# Altium PCB STM_W5500.PcbDoc (continued)
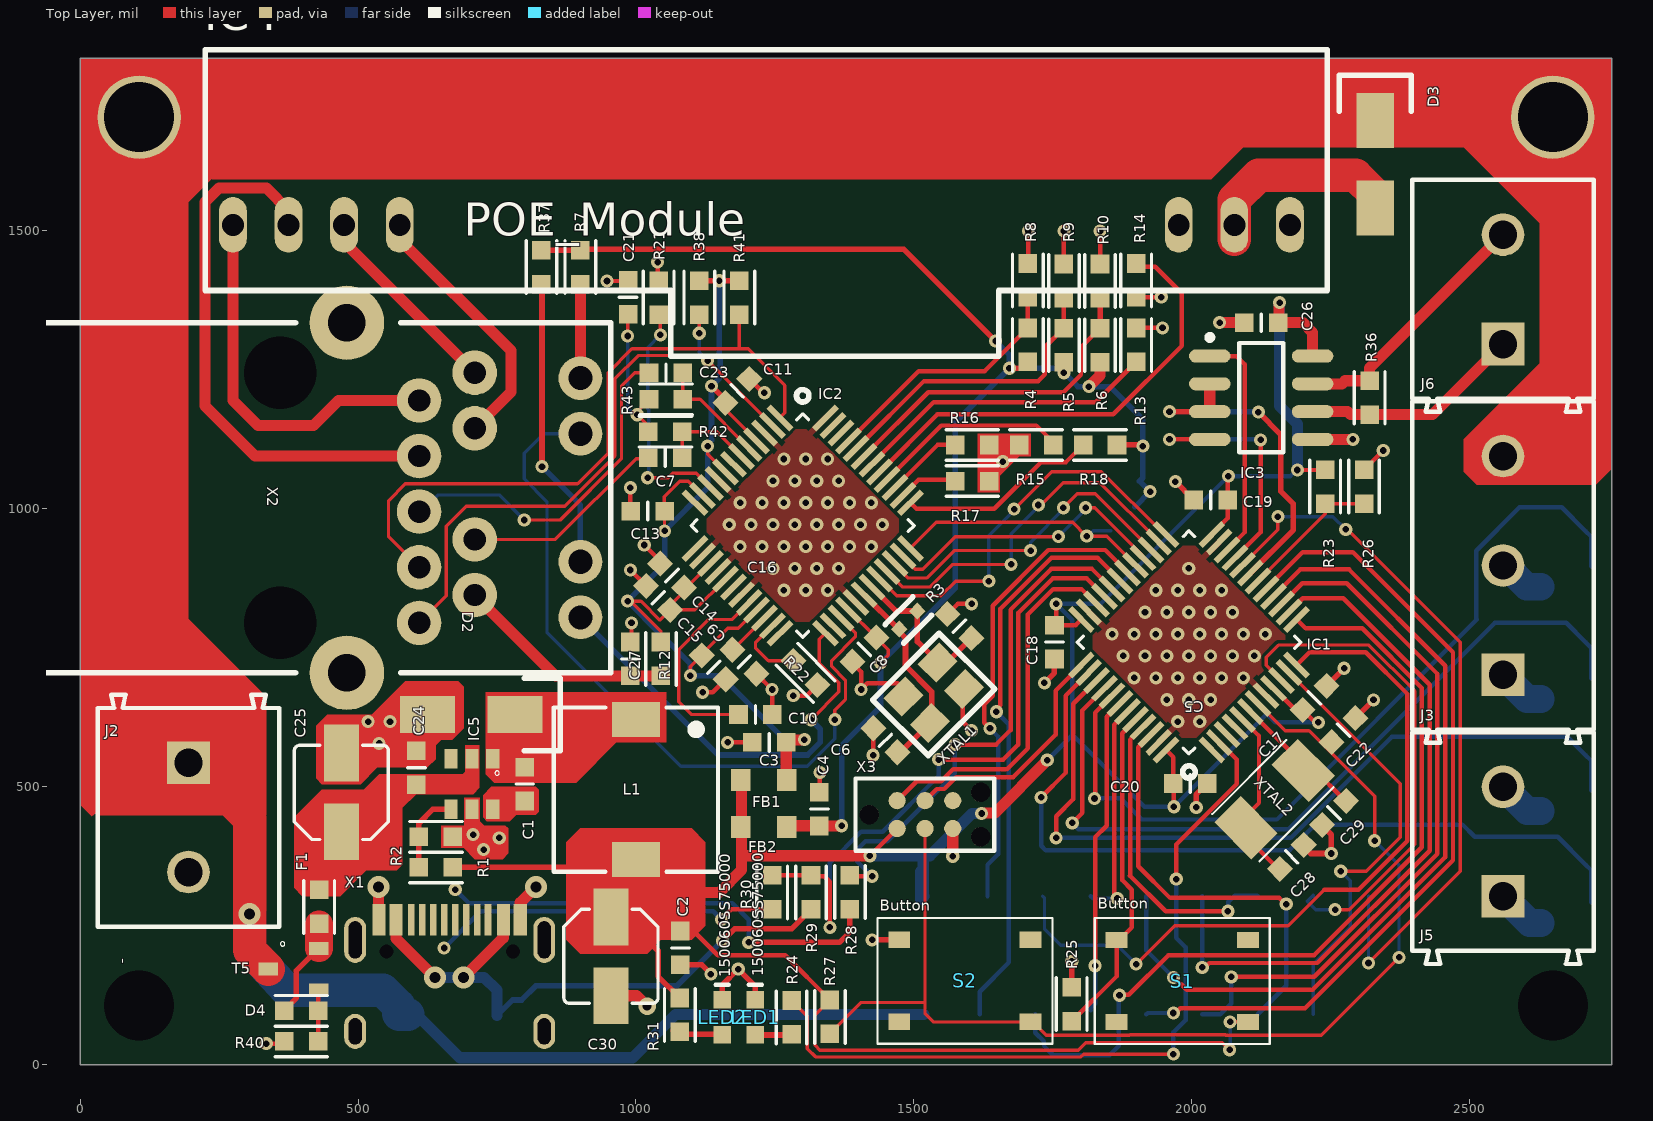
[diagram p0: Top Layer view]
## Part data (continued)
FB1 FB2: library part 742792042, "WE-CBF SMT EMI Suppression Ferrite Bead, size 0805, 600Ohm, 0.2A", DC Resistance max.=0.5Ohm, Operating Temperature="-55 to +125degC", Rated Current=0.2A, ComponentLink1Description=Manufacturer, ComponentLink1URL=http://www.we-online.de, ComponentLink2Description=Datasheet, ComponentLink2URL=https://katalog.we-online.com/pbs/datasheet/742792042.pdf, Impedance@100 MHz=600Ohm, Impedance max.=3000Ohm, Mounting Technology=SMT, Packaging="Tape and Reel", Part Number=742792042, Published Date="March 2019", Publisher="Wurth Elektronik", Size=0805, Type="High Speed"
J1: library part 61002021121, "Pin Header WR-PHD, pitch 2.54 mm, SMD, Vertical, dual row, 20 pin", Contact Resistance="20 mOhm", Insulation Resistance=">1000 MOhm", Operating Temperature="-40 to 105 degC", Rated Current="3 A", Working Voltage="250 VAC", ComponentLink1Description=Manufacturer, ComponentLink1URL=http://www.we-online.de, ComponentLink2Description=Datasheet, ComponentLink2URL=http://katalog.we-online.de/em/datasheet/6100xx21121.pdf, Mounting Technology=SMD, Orientation=Vertical, Part Number=61002021121, Pin Number=20, Pitch="2.54 mm", Published Date="Jan. 2018", Publisher="Wurth Elektronik", Row Number=Dual
J2 J5 J6: "Serie 213 - 5.00 mm Horizontal Entry Modular with RisingCage Clamp WR-TBL, 2 pin", Operating Temperature="-40 to 105 degC", ComponentLink1Description=Manufacturer, ComponentLink1URL=http://www.we-online.de, ComponentLink2Description=Datasheet, ComponentLink2URL=http://katalog.we-online.de/em/datasheet/6912137100xx.pdf, Mounting Technology=THT, Packaging=Box, Part Number=691213710002, Pin Number=2, Pitch="5.00 mm", Published Date="June 2018", Publisher="Wurth Elektronik"
J3: "Serie 213 - 5.00 mm Horizontal Entry Modular with RisingCage Clamp WR-TBL, 3 pin", Operating Temperature="-40 to 105 degC", ComponentLink1Description=Manufacturer, ComponentLink1URL=http://www.we-online.de, ComponentLink2Description=Datasheet, ComponentLink2URL=http://katalog.we-online.de/em/datasheet/6912137100xx.pdf, Mounting Technology=THT, Packaging=Box, Part Number=691213710003, Pin Number=3, Pitch="5.00 mm", Published Date="June 2018", Publisher="Wurth Elektronik"
L1: library part 744778004, "WE-PD SMT Power Inductor, size 7332, 4.7uH, 2.32A", DC Resistance max.=60mOhm, Inductance=4.7uH, Operating Temperature="-40 to +125degC", Rated Current=2.32A, Saturation Current=4.2A, Self Resonant Frequency=45MHz, ComponentLink1Description=Manufacturer, ComponentLink1URL=http://www.we-online.de, ComponentLink2Description=Datasheet, ComponentLink2URL=https://katalog.we-online.com/pbs/datasheet/744778004.pdf, Mounting Technology=SMT, Packaging="Tape and Reel", Part Number=744778004, Published Date="April 2019", Publisher="Wurth Elektronik", Size=7332
LED1 LED2: "SMD mono-color Chip LED, WL-SMCW, Super Red", Color="Super Red", ComponentLink1Description="Manufacturer URL", ComponentLink1URL=http://www.we-online.com, ComponentLink2Description=Datasheet, ComponentLink2URL=http://katalog.we-online.com/led/datasheet/150060SS75000.pdf, PackageReference=0603_A, PartNumber=150060SS75000
R3: library part ERJ-2GEJ105X, "RES SMD 1M OHM 5% 1/10W 0402", Digi-Key Part Number=P1.0MJCT-ND, Manufacturer="Panasonic Electronic Components", Operating Temperature="-55°C ~ 155°C", Package / Case="0402 (1005 Metric)", Power (Watts)="0.1W, 1/10W", Supplier Device Package=0402, Temperature Coefficient=±200ppm/°C, Tolerance=±5%, @ qty=1500, Composition="Thick Film", Datasheets=http://industrial.panasonic.com/www-cgi/jvcr13pz.cgi?E+PZ+3+AOA0001+ERJ2GEJ105X+7+WW, Factory Stock=0, Failure Rate=-, Features="Automotive AEC-Q200", Height - Seated (Max)="0.016\" (0.40mm)", Image=//media.digikey.com/Photos/Panasonic%20Photos/ERJ-PA2-Series.jpg, Minimum Quantity=1, Number of Terminations=2, Packaging="Cut Tape (CT)", Part Number=ERJ-2GEJ105X, Part Status=Active, Quantity Available=1082572, Series=ERJ, Size / Dimension="0.039\" L x 0.020\" W (1.00mm x 0.50mm)", Unit Price (USD)=0.00350
R4 R5 R6 R8 R9 R10 R13 R14 R15 R16 R17 R18 R19 R20 R22 R23 R25 R26 R27: library part ERJ-3EKF1002V, "RES SMD 10K OHM 1% 1/10W 0603", Digi-Key Part Number=P10.0KHCT-ND, Manufacturer="Panasonic Electronic Components", Operating Temperature="-55°C ~ 155°C", Package / Case="0603 (1608 Metric)", Power (Watts)="0.1W, 1/10W", Supplier Device Package=0603, Temperature Coefficient=±100ppm/°C, Tolerance=±1%, @ qty=1500, Composition="Thick Film", Datasheets=http://industrial.panasonic.com/www-cgi/jvcr13pz.cgi?E+PZ+3+AOA0002+ERJ3EKF1002V+7+WW, Factory Stock=0, Failure Rate=-, Features="Automotive AEC-Q200", Height - Seated (Max)="0.022\" (0.55mm)", Image=//media.digikey.com/Photos/Panasonic%20Photos/MFG_ERJ-P6W%20Series.jpg, Minimum Quantity=1, Number of Terminations=2, Packaging="Cut Tape (CT)", Part Number=ERJ-3EKF1002V, Part Status=Active, Quantity Available=6703141, Series=ERJ, Size / Dimension="0.063\" L x 0.031\" W (1.60mm x 0.80mm)", Unit Price (USD)=0.00379
R7 R12 R24 R37: library part ERJ-3EKF3300V, "RES SMD 330 OHM 1% 1/10W 0603", Digi-Key Part Number=P330HCT-ND, Manufacturer="Panasonic Electronic Components", Operating Temperature="-55°C ~ 155°C", Package / Case="0603 (1608 Metric)", Power (Watts)="0.1W, 1/10W", Supplier Device Package=0603, Temperature Coefficient=±100ppm/°C, Tolerance=±1%, @ qty=1500, Composition="Thick Film", Datasheets=http://industrial.panasonic.com/www-cgi/jvcr13pz.cgi?E+PZ+3+AOA0002+ERJ3EKF3300V+7+WW, Factory Stock=0, Failure Rate=-, Features="Automotive AEC-Q200", Height - Seated (Max)="0.022\" (0.55mm)", Image=//media.digikey.com/Photos/Panasonic%20Photos/MFG_ERJ-P6W%20Series.jpg, Minimum Quantity=1, Number of Terminations=2, Packaging="Cut Tape (CT)", Part Number=ERJ-3EKF3300V, Part Status=Active, Quantity Available=670984, Series=ERJ, Size / Dimension="0.063\" L x 0.031\" W (1.60mm x 0.80mm)", Unit Price (USD)=0.00379
R21: library part ERJ-3BQF1R1V, "RES SMD 12,4 KOHM 1% 1/4W 0603", Digi-Key Part Number=P17372CT-ND, Manufacturer="Panasonic Electronic Components", Operating Temperature="-55°C ~ 125°C", Package / Case="0603 (1608 Metric)", Power (Watts)="0.25W, 1/4W", Supplier Device Package=0603, Temperature Coefficient=±200ppm/°C, Tolerance=±1%, @ qty=1500, Composition="Thick Film", Datasheets=https://industrial.panasonic.com/cdbs/www-data/pdf/RDA0000/AOA0000C239.pdf, Factory Stock=0, Failure Rate=-, Features="Automotive AEC-Q200, Current Sense", Height - Seated (Max)="0.022\" (0.55mm)", Image=//media.digikey.com/Photos/Panasonic%20Photos/MFG_ERJ-P6W%20Series.jpg, Minimum Quantity=1, Number of Terminations=2, Packaging="Cut Tape (CT)", Part Number=ERJ-3BQF1R1V, Part Status=Active, Quantity Available=3896, Series=ERJ, Size / Dimension="0.063\" L x 0.031\" W (1.60mm x 0.80mm)", Unit Price (USD)=0.05386
R28 R30: library part ERJ-3EKF20R0V, "RES SMD 20 OHM 1% 1/10W 0603", Digi-Key Part Number=P20.0HCT-ND, Manufacturer="Panasonic Electronic Components", Operating Temperature="-55°C ~ 155°C", Package / Case="0603 (1608 Metric)", Power (Watts)="0.1W, 1/10W", Supplier Device Package=0603, Temperature Coefficient=±100ppm/°C, Tolerance=±1%, @ qty=1500, Composition="Thick Film", Datasheets=http://industrial.panasonic.com/www-cgi/jvcr13pz.cgi?E+PZ+3+AOA0002+ERJ3EKF20R0V+7+WW, Factory Stock=0, Failure Rate=-, Features="Automotive AEC-Q200", Height - Seated (Max)="0.022\" (0.55mm)", Image=//media.digikey.com/Photos/Panasonic%20Photos/MFG_ERJ-P6W%20Series.jpg, Minimum Quantity=1, Number of Terminations=2, Packaging="Cut Tape (CT)", Part Number=ERJ-3EKF20R0V, Part Status=Active, Quantity Available=92419, Series=ERJ, Size / Dimension="0.063\" L x 0.031\" W (1.60mm x 0.80mm)", Unit Price (USD)=0.00379
R29 R32 R33 R34 R35 R36 R40: library part ERJ-3EKF4701V, "RES SMD 4.7K OHM 1% 1/10W 0603", Digi-Key Part Number=P4.70KHCT-ND, Manufacturer="Panasonic Electronic Components", Operating Temperature="-55°C ~ 155°C", Package / Case="0603 (1608 Metric)", Power (Watts)="0.1W, 1/10W", Supplier Device Package=0603, Temperature Coefficient=±100ppm/°C, Tolerance=±1%, @ qty=1500, Composition="Thick Film", Datasheets=http://industrial.panasonic.com/www-cgi/jvcr13pz.cgi?E+PZ+3+AOA0002+ERJ3EKF4701V+7+WW, Factory Stock=0, Failure Rate=-, Features="Automotive AEC-Q200", Height - Seated (Max)="0.022\" (0.55mm)", Image=//media.digikey.com/Photos/Panasonic%20Photos/MFG_ERJ-P6W%20Series.jpg, Minimum Quantity=1, Number of Terminations=2, Packaging="Cut Tape (CT)", Part Number=ERJ-3EKF4701V, Part Status=Active, Quantity Available=999380, Series=ERJ, Size / Dimension="0.063\" L x 0.031\" W (1.60mm x 0.80mm)", Unit Price (USD)=0.00379
R38 R41 R42 R43: library part ERJ-3EKF49R9V, "RES SMD 49.9 OHM 1% 1/10W 0603", Digi-Key Part Number=P49.9HCT-ND, Manufacturer="Panasonic Electronic Components", Operating Temperature="-55°C ~ 155°C", Package / Case="0603 (1608 Metric)", Power (Watts)="0.1W, 1/10W", Supplier Device Package=0603, Temperature Coefficient=±100ppm/°C, Tolerance=±1%, @ qty=1500, Composition="Thick Film", Datasheets=http://industrial.panasonic.com/www-cgi/jvcr13pz.cgi?E+PZ+3+AOA0002+ERJ3EKF49R9V+7+WW, Factory Stock=0, Failure Rate=-, Features="Automotive AEC-Q200", Height - Seated (Max)="0.022\" (0.55mm)", Image=//media.digikey.com/Photos/Panasonic%20Photos/MFG_ERJ-P6W%20Series.jpg, Minimum Quantity=1, Number of Terminations=2, Packaging="Cut Tape (CT)", Part Number=ERJ-3EKF49R9V, Part Status=Active, Quantity Available=566023, Series=ERJ, Size / Dimension="0.063\" L x 0.031\" W (1.60mm x 0.80mm)", Unit Price (USD)=0.00379
S1 S2: "6.1x3.7x2.5mm"
T1 T2 T3 T4: "AO3400 MOSFET 30V"
T5: "AO3401 MOSFET 30V"
X1: library part "USB-C 16P"
XTAL1: library part 3225
XTAL2: library part 5032

## Free pads (board coordinates)
  round 0 hole 125.98: 0(106.3,106.3) 0(2649.61,106.3)
  round 150 hole 125.98: 0(106.3,1704.72) 0(2649.61,1704.72)

## Via types
v1: diameter 23.62, hole 11.81, Top Layer to Bottom Layer, tented both sides, 123 vias
v2: diameter 23.62, hole 11.81, Top Layer to Bottom Layer, 75 vias
v3: diameter 39.37, hole 19.68, Top Layer to Bottom Layer, tented both sides, 5 vias
v4: diameter 31.5, hole 15.75, Top Layer to Bottom Layer, tented both sides, 1 vias

## Nets (pads, with @x,y where several pads share a name; then routed paths per layer and width w, separated by ;. In a path a pad name is that pad's centre, name@x,y a point inside that pad or via, vN(x,y) a via of type N, cw(c..) or ccw(c..) an arc to the next point about the centre after c; other vN are vias at no path point)
3,3V: C2.1 C17.1 C18.1 C19.1 C20.1 C26.1 C30.1 FB1.1 FB2.1 IC1.9 IC1.24 IC1.36 IC1.48 IC3.8 J1.1 L1.2 R1.1 R23.2 R27.2 R31.2 S1.2 X3.1 | length 5223.9
  Top Layer w6: R27.2 1322.27,89.78 1322.27,34.61 1330.88,26 1795.5,26 1809.26,39.76 1958.32,39.76 1958.38,39.81 2055.19,39.81 v1(2068,27) ; v1(2069,77) 2100.77,77 S1.2
  Top Layer w8: 1071,273 1147,197 1268.51,197 R27.2 ; v1(1421,376) X3.1 ; v1(1756,829) 1756,794 C18.1 1791.24,791 IC1.36 ; IC1.48@1955.49,564.75 1966.98,553.26 C20.1 1968,504.98 v1(1968,464) ; IC1.24@2047.66,966.1 2065,983.44 2065,1058 v1(2066,1059) ; IC1.9 2147.58,677.27 2192.42,632.42 C17.1@2197,637 ; v1(2190,1070) 2239.49,1070 R23.2 ; C17.1 2221.85,616 v1(2227.92,616)
  Top Layer w10: R1.1 915,355 940,330 ; C30.1 979.13,265.87 1040,205 1040,159 R31.2
  Top Layer w20: 1070,310 1150,310 1190,350 1190,376 ; FB1.1@1190,515 1190,430 1190,376 ; v1(1421,376) 1190,376 ; v1(1622,452) 1622.69,452.69 1645.78,452.69 1740,546.92 v1(1740,548) ; v1(2158,1371) 2156.7,1369.7 2156.7,1336.19 C26.1 2200,1335 2217.52,1317.48 IC3.8
  Bottom Layer w6: v1(2068,27) 2069,28 v1(2069,77)
  Bottom Layer w8: v1(1740,548) 1785,593 1785,594 ; v1(2190,1070) 2188.5,1070 2177.5,1059 v1(2066,1059) 1836,829 v1(1756,829) 1785,800 1785,594 ; v1(2227.92,616) 2150,616 2135,631 v1(1968,464) 1915,464 1785,594
  Bottom Layer w20: v1(1421,376) 1517,376 ; J1.1@1512.35,297 J1.1@1512.35,347.65 ; J1.1 1517,304.65 1517,376 ; v1(1622,452) 1605,452 1529,376 1517,376 ; v1(2158,1371) 2158,1185 2190,1153 v1(2190,1070)
3,3VA: C3.1 C11.1 C13.1 C14.1 C15.1 C16.1 FB1.2 IC2.4 IC2.8 IC2.11 IC2.15 IC2.17 IC2.21 R12.2 R38.2 R41.2 | length 2207.5
  Top Layer w6: v1(985,834) v1@991,834 ; R12.2 1045,780 v1@991,834 ; C13.1@1051.02,996 1051.02,1022.02 1079,1050 1094.14,1050 IC2.11 ; v1(1051.51,960.49) C13.1 ; v1(1098,700) 1098,716.15 C16.1 ; C16.1@1123.42,731.58 1123.42,743.42 1165,785 1184.3,785 IC2.21 ; v1(1129,1113) 1129,1098.57 IC2.8 ; IC2.15 1090.84,858.42 C14.1 1086.58,851.58 1061.58,826.58 C15.1 ; C11.1@1155,1185 1217.27,1122.73 IC2.4 ; IC2.17 1106,818.42 C15.1 ; v1@991,834 1009.15,834 1043.15,800 C15.1
  Top Layer w10: R38.2 v1(1150,1410.51) R41.2 ; v1(1136,1221) 1160.8,1196.2 C11.1
  Top Layer w20: FB1.2@1270,515 1270.51,515.51 C3.1 1274.82,584.31 1302.31,584.31 v1(1303,585)
  Bottom Layer w10: v1(1150,1410.51) 1150,1278.12 1151.81,1276.31 1151.81,1257.42 1150,1255.61 1150,1235 v1(1136,1221) 1136,1123.69 1129,1116.69 v1(1129,1113) 1129,1037.98 v1(1051.51,960.49) 1051.51,900.51 v1(985,834) 1001.19,817.81 1001.45,817.81 1014.81,804.45 1014.81,804.19 1098,721 v1(1098,700) 1152,700 1267,585 v1(1303,585)
3,3VD: C4.1 C8.1 FB2.2 IC2.28 R4.2 R5.2 R6.2 R7.2 R18.2 R19.2 R20.2 R37.2 | length 2711.7
  Top Layer w6: C4.1@1329.49,430 C4.1 ; IC2.28@1382.73,815.42 IC2.28 1430.13,770.58 C8.1@1432.58,770.58 ; C8.1 1432.58,768.42 1454,747 1454,737 v1(1440,723)
  Top Layer w10: R37.2 R7.2 901.3,1466.81 1482.19,1466.81 v1(1647,1302) ; v1(1672,1253) 1672.09,1253.09 1693.6,1253.09 R4.2 ; R18.2 v1@1904,1115
  Top Layer w20: FB2.2@1270,430 C4.1@1329.49,430 ; C4.1 1369.49,429.49 v1(1370,430) ; v1(1815,1220) 1835,1240 R6.2
  Bottom Layer w10: v1(1370,430) 1370,574 1440,644 v1(1440,723) 1574.49,857.49 R20.2 1574.49,1155.49 v1(1672,1253) ; v1(1647,1302) 1672,1277 v1(1672,1253) ; R19.2 v1(1925,1031) 1906,1050 1912,1056 v1(1912,1113) 1912,1161 1853,1220 v1(1815,1220) 1795,1220 v1(1770,1245) 1766.31,1245 1758.31,1253 v1(1672,1253)
5V: D1.A R29.2 X1.VBUS | length 1074.6
  Top Layer w10: v1(1156,223) 1178,245 1280.51,245 R29.2
  Top Layer w20: X1.VBUS@568.54,260.59 568.54,227.1 v3(638.64,157) ; v3(690,157) 761.46,228.46 X1.VBUS@761.46,260.59
  Bottom Layer w10: D1.A 750,88.26 778.2,116.46 794.46,116.46 820,142 1074,142 v1@1154,222
  Bottom Layer w20: v3(638.64,157) v3(690,157) 727,157 750,134 D1.A@750,88.26
12V: D3.A IC4.6 | length 381.2
  Top Layer w60: IC4.6@2076.57,1485 2076.57,1556.57 2120,1600 2295,1600 2330,1565 D3.A
GND: C2.2 C3.2 C4.2 C5.1 C6.1 C8.2 C9.2 C10.2 C11.2 C13.2 C14.2 C15.2 C16.2 C17.2 C18.2 C19.2 C20.2 C21.1 C22.2 C24.2 C25.2 C26.2 C27.1 C28.1 C29.1 C30.2 D2.A IC1.8 IC1.23 IC1.35 IC1.47 IC2.3 IC2.9 IC2.14 IC2.16 IC2.19 IC2.29 IC2.48 IC3.5 IC4.5 IC5.5 J1.19 J1.20 J2.2 LED1.1 LED2.1 R2.1 R8.1 R9.1 R10.1 R13.2 R14.2 R15.2 R16.2 R17.2 R21.1 R22.1 R25.1 R26.1 R32.1 R33.1 R34.1 R35.1 R40.1 S2.1 T1.S T2.S T3.S T4.S X1.GND X2.15 X3.5 XTAL1.2 XTAL1.4 | length 2295.3
  Top Layer w8: v1(335,38) 363.49,38 R40.1 ; v1(948,1410) 984.49,1410 C21.1 ; C27.1 992,762.51 v1(992,795) ; v1(990,890) C15.2 ; v1(990,1038) 990,996.49 C13.2 ; v1(1015,935) 1043.42,906.58 C14.2 ; v1(1039,1444) 1039,1412.51 R21.1 ; v1(1120,670) 1138.15,670 C16.2 ; v1(1165,580) C3.2 ; C11.2 1228.91,1209 v1(1231,1209) ; C9.2 v1(1245,675) 1245.51,674.49 C10.2 ; v1(1283,664) 1307.15,664 R22.1 ; C4.2 1331,491.51 1330,492.51 1331,493.51 v1(1331,526) ; C8.2 1389.42,722.57 1405,706.99 v1(1405,675) 1416.08,686.08 1471.43,686.08 ; v1(1426.72,556.72) 1426.72,605.72 C6.1 ; C5.1@1561,810 C5.1 1578.85,829 v1(1604,829) ; XTAL1.4@1600,676 XTAL1.4 1587.22,673.22 1587.22,645.47 1588.22,644.46 1588.22,616.78 v1(1604,601) ; R8.1@1705,1435.51 1706,1436.51 v1(1706,1500) ; R9.1@1770,1435.51 v1(1770,1500) ; R10.1@1835,1435.51 v1(1835,1500) ; R13.2 1900.14,1325.65 v1(1947.35,1325.65) ; R14.2@1900,1374.49 R14.2@1906,1380.49 ; R14.2 R14.2@1906,1380.49 ; v1@1941.52,1377.49 v1(1945.02,1381) 1938.01,1381 1937.5,1380.49 R14.2@1906,1380.49 ; R26.1 v1(2344.49,1105)
  Top Layer w10: C2.2 1118.51,179.49 v1(1135,163) ; LED2.1 1155,143 v1(1184,172) 1215,141 LED1.1 ; v1@1423,226.64 v1(1425,224.64) 1468.6,224.64 1471.19,227.23 S2.1 ; v1(1735,687) 1753,705 C18.2 ; R25.1 v1(1784,186) ; v1(1970.49,1049) C19.2 ; v1(2008,463) 2008,486 C20.2 ; C28.1@2194,400 2214,380 v1(2251,380) 2251,413.85 C29.1@2229.42,435.42 ; C17.2@2235.58,675.58 2236.58,675.58 C17.2 2274,713 v1(2274,713.19) ; C22.2 2327,656 v1(2327,656.38)
  Top Layer w20: v3(537,320) 537,261.62 X1.GND@538.03,260.59 ; X1.GND@791.97,260.59 791.97,291.97 v3(820,320) ; C30.2 1000.87,124.13 v4(1020,105) ; v1(1570,375) X3.5 ; v1(2050,1335) C26.2 ; IC3.5 v1(2290,1125)
  other v1: 726,387 754,408 707,414 1660,1085
  other v2: 537.91,577.91 518.23,617.28 557.6,617.28 1974.92,617.28 2014.29,617.28 1955.24,656.65 1994.61,656.65 2033.98,656.65 1896.18,696.02 1935.55,696.02 1974.92,696.02 2014.29,696.02 2053.66,696.02 2093.03,696.02 1876.5,735.39 1915.87,735.39 1955.24,735.39 1994.61,735.39 2033.98,735.39 2073.35,735.39 2112.72,735.39 1856.81,774.76 1896.18,774.76 1935.55,774.76 1974.92,774.76 2014.29,774.76 2053.66,774.76 2093.03,774.76 2132.4,774.76 1915.87,814.13 1955.24,814.13 1994.61,814.13 2033.98,814.13 2073.35,814.13 1266.26,853.51 1305.63,853.51 1345,853.51 1935.55,853.51 1974.92,853.51 2014.29,853.51 2053.66,853.51 1246.58,892.88 1285.95,892.88 1325.32,892.88 1364.69,892.88 1994.61,892.88 1187.52,932.25 1226.89,932.25 1266.26,932.25 1305.63,932.25 1345,932.25 1384.37,932.25 1423.74,932.25 1167.84,971.62 1207.21,971.62 1246.58,971.62 1285.95,971.62 1325.32,971.62 1364.69,971.62 1404.06,971.62 1443.43,971.62 1187.52,1010.99 1226.89,1010.99 1266.26,1010.99 1305.63,1010.99 1345,1010.99 1384.37,1010.99 1423.74,1010.99 1246.58,1050.36 1285.95,1050.36 1325.32,1050.36 1364.69,1050.36 1266.26,1089.73 1305.63,1089.73 1345,1089.73
NetC1_1: C1.1 IC5.6
NetC1_2: C1.2 D2.K IC5.1 L1.1
NetC5_2: C5.2 IC2.31 R3.2 XTAL1.1 | length 291.1
  Top Layer w10: IC2.31 1467.88,816.26 R3.2 1506.26,761.06 1544,723.33 1544,731.19 1544.31,730.88 1567.03,730.88 C5.2
NetC6_2: C6.2 IC2.30 R3.1 XTAL1.3 | length 363.7
  Top Layer w10: IC2.30 1472.12,783.74 R3.1 1473.74,778.83 1485,767.57 1485,718 1532,671 1532,644.34 1528.75,641.09 XTAL1.3 1476.15,562.15 C6.2
NetC7_1: C7.1 IC2.6 R42.2 | length 171.6
  Top Layer w6: C7.1 R42.2 1145.14,1139 IC2.6
NetC7_2: C7.2 X2.4 | length 380.4
  Top Layer w6: X2.4 855,945 1000.27,1090.27 1020.76,1090.27 C7.2
  Bottom Layer w6: X2.4 X2.4@715,940
NetC9_1: C9.1 IC2.22 | length 81.7
  Top Layer w6: C9.1 1174.16,746.58 IC2.22
NetC10_1: C10.1 IC2.20 | length 372.8
  Top Layer w6: C10.1 1100,630 1077,653 1077,747 1131,801 1173.43,801 IC2.20
NetC21_2: C21.2 R42.1 R43.2 | length 266.4
  Top Layer w6: v1(985,1311) 985,1349.49 C21.2 ; R42.1 1017.04,1144.45 1017.04,1154.73 v1(1002.32,1169.44) 1002.32,1174.21 1009.76,1181.64 1009.76,1183.27 R43.2
  Bottom Layer w6: v1(985,1311) 985,1182.33 997.88,1169.44 v1(1002.32,1169.44)
NetC22_1: C22.1 IC1.7 R27.1 S2.2 X3.3 | length 2041.8
  Top Layer w6: R27.1 1405.51,112 1520,112 ; X3.3 1520,112 ; IC1.7 2168.14,601 2211,601 2329,483 v1(2329,403) ; v1(2373,193) 2233.01,53.01 2061.4,53.01 2060.6,53.81 1889,53.81 1887.94,52.76 1738.24,52.76 1714.23,76.77 1535.96,76.77 1520,92.73 1520,112
  Bottom Layer w6: v1(2329,403) 2373,359 v1(2373,193)
NetC23_1: C23.1 IC2.5 R43.1 | length 200.9
  Top Layer w6: R43.1 1115.43,1197 IC2.5 ; R43.1@1084.51,1200 C23.1
NetC23_2: C23.2 X2.5 | length 631
  Top Layer w6: v1(799,980) 863.94,980 974,1090.06 974,1221 998,1245 C23.2
  Bottom Layer w6: X2.5 614.33,995 644.33,1025 754,1025 v1(799,980)
NetC27_2: C27.2 R12.1 X2.2 | length 395.3
  Top Layer w20: X2.2 855.51,699.49 C27.2 R12.1
NetC28_2: C28.2 IC1.5 XTAL2.1 | length 317.2
  Top Layer w8: IC1.5 2121,591.57 2121,471 2097.5,447.5 XTAL2.1 2097.5,410.2 C28.2@2156.85,350.85
NetC29_2: C29.2 IC1.6 XTAL2.2 | length 238.6
  Top Layer w8: IC1.6 2200.5,540.36 XTAL2.2 2221.65,529.5 C29.2@2272.58,478.58
NetD4_1: D4.1 F1.2 T5.S | length 207.7
  Top Layer w10: D4.1@367.49,87 D4.1 367.49,98.49 389,120 389,169.13 416.56,196.68 416.56,202.59 423.37,209.4 T5.S
  Top Layer w20: T5.S@430,209.4 435.18,209.4 436.99,207.59 T5.S@436.99,202.41
  Top Layer w50: T5.S@430,209.4 F1.2@430,252.76
NetD4_2: D4.2 R40.2 T5.G | length 92.9
  Top Layer w8: R40.2 428.51,87 428.51,133.83 T5.G
NetIC1_2: IC1.2 R24.1 | length 1403.1
  Top Layer w6: R24.1 1308.27,87.24 1308.27,28.82 1323.08,14 1800.47,14 1805.47,19 v1@1966,19
  Top Layer w8: v1@1966,19 v1@1967,20 ; v1(1972,334) 1972,396.15 2081,505.15 2081,549.13 IC1.2@2048.45,581.69
  Bottom Layer w8: v1(1967,19) 1967,58.15 1988.81,79.97 1988.81,211.3 1972,228.11 v1(1972,334)
NetIC1_10: IC1.10 J1.15 | length 908.7
  Top Layer w6: IC1.10@2164.71,691.41 IC1.10 2134,718.58 2134,733 2156,755 2318.38,755 2401,672.38 2401,396.38 2283.62,279 v1(2258,279)
  Bottom Layer w6: J1.15 2218.5,305.31 2207.59,294.41 2223,279 v1(2258,279)
NetIC1_11: IC1.11 J1.16 | length 803.6
  Top Layer w6: IC1.11 2175.31,705.03 2375,505.35 2375,409 2314,348 v1(2268,348)
  Bottom Layer w6: J1.16 2218.5,180.5 2285,247 2285,331 v1(2268,348)
NetIC1_12: IC1.12 J1.5 | length 1335.5
  Top Layer w6: v1(1900,181) 1969,250 2173.5,250 2238.5,315
  Top Layer w8: IC1.12 2211.76,742 2313,742 2388,667 2388,403 2300,315 2238.5,315
  Bottom Layer w6: J1.5@1731.5,303.15 1735.19,299.46 1735.19,243.81 1764,215 1866,215 v1(1900,181)
NetIC1_13: IC1.13 J1.6 | length 1520.7
  Top Layer w8: v1(1870,125) 1870.84,125.84 1886.84,125.84 1958,197 2220,197 2414,391 2414,677.77 2306.77,785 2204.76,785 IC1.13
  Bottom Layer w8: J1.6 1718.5,57.68 1734.19,42 1734.19,33.81 1751,17 1852,17 1869,34 1869,124 v1(1870,125)
NetIC1_14: IC1.14 J1.11 | length 1250
  Top Layer w8: v1(2019,175) 2023.23,175 2031.23,183 2225.8,183 2428,385.2 2428,683.57 2272.57,839 2199.86,839 IC1.14
  Bottom Layer w8: J1.11 2018.5,175.5 v1(2019,175)
NetIC1_15: IC1.15 J1.12 | length 1258.7
  Top Layer w8: v1(2071,158) 2220.6,158 2442,379.4 2442,703 2279,866 2198.58,866 IC1.15
  Bottom Layer w8: J1.12 2051.55,90.55 2071,110 v1(2071,158)
NetIC1_16: IC1.16 J1.9 | length 1508.2
  Top Layer w8: v1(1967,157) 1969,157 1991,135 2217.4,135 2456,373.6 2456,718 2283,891 2195.3,891 IC1.16
  Bottom Layer w8: J1.9 1918.5,205.5 v1(1967,157)
NetIC1_17: IC1.17 J1.10 | length 1478.8
  Top Layer w8: v1(1967,93) 1971,93 1979.54,101.54 2203.73,101.54 2470,367.8 2470,742 2290,922 2199.43,922 IC1.17
  Bottom Layer w8: J1.10 1920.95,93 v1(1967,93)
NetIC1_18: IC1.18 R23.1 R26.2 | length 259.1
  Top Layer w6: IC1.18 2240,990.86 R23.1 R26.2
NetIC1_19: IC1.19 IC3.2 IC3.3 | length 635.3
  Top Layer w10: v1(1960,1175) IC3.3 ; IC1.19 2183,962.14 2183,1009 2160,1032 2160,1134 v1(2120,1174)
  Top Layer w20: IC3.3 IC3.2
  Bottom Layer w10: v1(1960,1175) v1@2125,1175
NetIC1_20: IC1.20 J1.17 | length 1301.2
  Top Layer w6: IC1.20 2155,962.43 v1(2155,986) ; v1(2277,963) 2280,963 2483,760 2483,348 v1(2318,183)
  Bottom Layer w6: v1(2155,986) 2254,986 v1(2277,963) ; v1(2318,183) 2318,302.65 J1.17
NetIC1_21: IC1.21 IC3.4 | length 468.6
  Top Layer w8: v1(1960,1125) IC3.4 ; IC1.21 2124,958.3 v1(2124,1124)
  Bottom Layer w8: v1(1960,1125) v1@2125,1125
NetIC1_22: IC1.22 IC3.1 | length 415.6
  Top Layer w8: IC3.1 2080,1275 2095,1260 2095,957.58 IC1.22
NetIC1_25: IC1.25 IC2.32 R20.1 | length 713
  Top Layer w6: IC2.32 1468.83,843.59 1548.59,843.59 1575,870 v1(1635,870) ; v1(1680.5,999.5) 1748,1067 1837.3,1067 1948.55,955.75 IC1.25@1952.99,955.75
  Bottom Layer w6: v1(1635,870) 1635,952 1675,992 v1@1675,1000
NetIC1_26: IC1.26 IC2.33 | length 654
  Top Layer w6: IC2.33 1454.15,887.27 1454.15,884.44 1479,859.59 1529.5,859.59 1569.91,900 v1(1675,900) ; v1(1724,1007) 1729,1007 1769,1047 1834.86,1047 IC1.26@1939.55,942.31
  Bottom Layer w6: v1(1675,900) 1675,955 v1@1725,1005
NetIC1_27: IC1.27 IC2.34 | length 585.9
  Top Layer w6: IC2.34 1467.23,902.47 1467.23,898.23 1489.87,875.59 1522.88,875.59 1572.28,925 v1(1710,925) ; v1(1769,1002) 1794,1027 1826.58,1027 IC1.27@1925.41,928.17
  Bottom Layer w6: v1(1710,925) 1710,940 v1@1770,1000
NetIC1_28: IC1.28 IC2.35 | length 526.5
  Top Layer w6: IC2.35 1481.02,915.55 1481.02,912.72 1502.15,891.59 1516.25,891.59 1574.66,950 v1(1760,950) ; v1(1809,1002) 1825.42,1002 1910.56,916.86 1910.56,914.03 IC1.28@1911.27,914.03
  Bottom Layer w6: v1(1760,950) v1@1810,1000
NetIC1_29: IC1.29 IC2.36 R19.1 | length 502
  Top Layer w6: IC2.36 1540.57,975.81 1785.81,975.81 1810.62,951 v1(1811,951) 1847.43,951 IC1.29@1897.83,900.59
  Bottom Layer w6: v1(1811,951) 1813.58,951 1823,960.42 1841.85,960.42 R19.1
NetIC1_30: IC1.30 J1.3 | length 847
  Top Layer w8: v1(1637,605) 1626.59,615.41 1626.59,648.59 1641.81,663.81 1641.81,825.97 1741.85,926 1844.14,926 IC1.30@1883.69,886.45
  Bottom Layer w8: J1.3@1632.5,303.15 1632.5,359.5 1651.5,378.5 1651.5,590.5 v1(1637,605)
NetIC1_31: IC1.31 J1.4 | length 1032.8
  Top Layer w8: v1(1648.41,635) 1648.41,639.23 1655.81,646.63 1655.81,820.17 1747.64,912 1830.56,912 1868.84,873.72 1868.84,872.31 IC1.31@1869.55,872.31
  Bottom Layer w8: J1.4 1618.5,131.5 1671,184 1671,612.41 v1(1648.41,635)
NetIC1_32: IC1.32 R28.1 | length 946.4
  Top Layer w8: R28.1 R28.1@1390.35,346.38 ; R28.1@1392.67,348.7 1392.67,344.06 1397.73,339 v1(1425,339) ; v1(1574,576) 1648,576 1674,602 1674,818.56 1747.44,892 1820.57,892 IC1.32
  Bottom Layer w8: v1(1425,339) 1397,367 1397,386 1413,402 1452,402 1574,524 v1(1574,576)
NetIC1_33: IC1.33 R29.1 R30.1 | length 1182.2
  Top Layer w8: R30.1 R29.1 1316.56,338.95 1339.05,338.95 1349,329 v1(1349,247) ; v1(1544.5,549) 1661,549 1688,576 1688,812.76 1750.24,875 1810.7,875 IC1.33
  Bottom Layer w8: v1(1349,247) 1349,363 1405,419 1444,419 1544.5,519.5 v1(1544.5,549)
NetIC1_34: IC1.34 X3.2 | length 669
  Top Layer w8: X3.2 1505,510 1549.14,510 1570.64,531.5 1667.5,531.5 1705,569 1705,809.96 1750.84,855.8 1801.62,855.8 IC1.34
NetIC1_37: IC1.37 X3.4 | length 428.5
  Top Layer w8: X3.4 1541,496 1554.94,496 1576.44,517.5 1678.65,517.5 1755,593.85 1755,672.74 IC1.37
NetIC1_38: IC1.38 R33.2 T2.G | length 1450.4
  Top Layer w8: v1(1729,481) 1773,525 1773,663.86 IC1.38
  Bottom Layer w8: v1(1729,481) 1729,394 1737,386 2176,386 2222,432 2487,432 2509,410 2658.51,410 R33.2 2718.28,350.24 T2.G
NetIC1_39: IC1.39 R32.2 T1.G | length 1422.2
  Top Layer w8: v1(1756,408) 1756,447 1787,478 1787,649.58 IC1.39
  Bottom Layer w8: v1(1756,408) 2178.2,408 2360.2,590 2675.51,590 R32.2 2718.28,547.24 T1.G
NetIC1_40: IC1.40 R35.2 T4.G | length 1431
  Top Layer w8: v1(1785,435) 1803,453 1803,637.3 IC1.40
  Bottom Layer w8: v1(1785,435) 1796,424 2174.4,424 2545.4,795 2673.51,795 R35.2 2718.28,750.24 T4.G
NetIC1_41: IC1.41 R34.2 T3.G | length 1488.6
  Top Layer w8: v1@1826,479 1826,633.43 IC1.41
  Bottom Layer w8: v1(1825,479) 1872,479 1909.81,441.19 2153.19,441.19 2513,801 2511.61,802.39 2511.61,924.93 2589.69,1003 2665.51,1003 R34.2 2718.28,950.24 T3.G
NetIC1_42: IC1.42 J1.8 | length 575.1
  Top Layer w8: v1(1826,178) 1826,409 1846.81,429.81 1846.81,625.95 IC1.42
  Bottom Layer w8: J1.8@1818.5,98.06 1816.25,100.31 1826,110.06 v1(1826,178)
NetIC1_43: IC1.43 J1.7 | length 398
  Top Layer w8: v1(1866,299) 1866,303.23 1860.81,308.42 1860.81,612 1884.36,635.55 IC1.43
  Bottom Layer w8: J1.7 1822.65,299 v1(1866,299)
NetIC1_44: IC1.44 R25.2 S1.1 | length 617.9
  Top Layer w8: R25.2@1784,68 1784,78 1864.78,158.78 S1.1 1869.41,224.41 1892,247 1892,315 1874.81,332.19 1874.81,596.33 1898.83,620.35 IC1.44
NetIC1_45: IC1.45 J1.13 | length 555.3
  Top Layer w8: IC1.45 1911.97,607.97 1889,585 1889,340.38 1888.81,340.19 1953,276 v1(2065,276)
  Bottom Layer w8: v1(2065,276) 2065.84,276.84 2065.84,292.84 2077,304 2117.65,304 J1.13
NetIC1_46: IC1.46 J1.14 | length 760.1
  Top Layer w8: IC1.46 1926.41,593.41 1904,571 1904,357 1961,300 2157.5,300 2168.5,289 v1(2170,289)
  Bottom Layer w8: J1.14 2170,142.05 v1(2170,289)
NetIC2_1: IC2.1 R41.1 X2.3 | length 1205.1
  Top Layer w6: X2.3 555,950 555,1015 585,1045 895,1045 950,1100 950,1245 992.81,1287.81 1185,1287.81 ; R41.1 1186,1288.81 1185,1287.81 ; IC2.1 1268,1172.76 1268,1222 1202.19,1287.81 1185,1287.81
NetIC2_2: IC2.2 R38.1 X2.1 | length 1130.2
  Top Layer w6: X2.1 659,844 659,969 695,1005 871.97,1005 962,1095.03 962,1234 1003.81,1275.81 1120.05,1275.81 v1(1129,1266.87) IC2.2 ; v1(1114,1316) R38.1
  Bottom Layer w6: v1(1114,1316) 1114,1282 1129,1267 v1(1129,1266.87)
NetIC2_10: IC2.10 R21.2 | length 432.7
  Top Layer w6: v1(1021,1056) 1058,1056 1066,1064 1108.42,1064 IC2.10 ; R21.2 1044,1346.49 v1(1044,1313)
  Bottom Layer w6: v1(1021,1056) 1023.13,1058.13 1023.13,1178.06 1021,1180.19 1021,1290 v1(1044,1313)
NetIC2_23: IC2.23 R22.2 | length 130.5
  Top Layer w6: IC2.23 1215,759.13 1215,750 1238.42,726.58 R22.2
NetIC2_25: IC2.25 X2.11 | length 786.8
  Top Layer w6: v1(1315,620.57) 1317.22,622.78 1365,670.57 1365,687 1330,722 1330,765.24 IC2.25
  Bottom Layer w10: X2.11 1147.81,557.19 1308.96,557.19 1332,580.23 1332,603.57 v1(1315,620.57)
NetIC2_27: IC2.27 X2.13 | length 1357.4
  Top Layer w6: v1(1358,621) 1358,638 1377,657 1377,691.97 1352,716.97 1352,727 1395,770 1395,777.42 IC2.27
  Bottom Layer w6: X2.13 834.16,1135.16 799,1100 799,1054 840,1013 840,778 1081,537 1308.57,537 1358,586.43 v1(1358,621)
NetIC2_37: IC2.37 R18.1 | length 363.3
  Top Layer w8: IC2.37@1494.1,1011.01 IC2.37 1504.76,1000 1644.8,1000 1729.07,1084.27 1773.76,1084.27 R18.1
NetIC2_38: IC2.38 R17.1 | length 108.3
  Top Layer w8: IC2.38 1508.36,1052.5 R17.1@1576.99,1052.5
NetIC2_39: IC2.39 R16.1 | length 145
  Top Layer w8: IC2.39 1542.58,1115 R16.1 R16.1@1579.49,1115
NetIC2_40: IC2.40 R15.1 | length 358.3
  Top Layer w8: IC2.40 1549.3,1150 1720.51,1150 R15.1@1755.51,1115
NetIC2_41: IC2.41 R14.1 | length 833.9
  Top Layer w8: IC2.41 1542.43,1170 1858.78,1170 1982,1293.22 1982,1388 1934.49,1435.51 R14.1@1900,1435.51
NetIC2_42: IC2.42 R13.1 | length 552.7
  Top Layer w8: IC2.42 1425.16,1080.31 1425.16,1081.72 1535.44,1192 1827.51,1192 R13.1
NetIC2_43: IC2.43 R6.1 R10.2 | length 598.5
  Top Layer w8: IC2.43 1525.86,1210 1769.29,1210 1800.73,1241.45 1800.73,1290.73 R6.1
  Top Layer w10: R6.1 R10.2@1835,1374.49
NetIC2_44: IC2.44 R5.1 R9.2 | length 541.3
  Top Layer w8: IC2.44@1396.52,1108.24 1518.28,1230 1723.78,1230 1735.73,1241.96 1735.73,1290.73 R5.1 R9.2@1770,1374.49
NetIC2_45: IC2.45 R4.1 R8.2 | length 455.5
  Top Layer w8: IC2.45 1508.7,1248 1627.49,1248 R4.1 R8.2@1705,1374.49
NetIC3_6: IC3.6 J6.1 R36.1 | length 397.4
  Top Layer w20: IC3.6 2280,1175 2285.51,1169.49 R36.1 2432.91,1169.49 J6.1
NetIC3_7: IC3.7 J6.2 R36.2 | length 467.1
  Top Layer w20: IC3.7 2270,1225 2275.51,1230.51 R36.2 2320,1253.43 J6.2
NetIC4_1: IC4.1 X2.8 | length 662.4
  Top Layer w20: IC4.1@275,1485 274.84,1484.84 274.84,1195.16 320,1150 420,1150 465,1195 X2.8
NetIC4_2: IC4.2 X2.7 | length 992.2
  Top Layer w20: IC4.2 375,1537 335,1577 250,1577 225,1552 225,1185 315,1095 X2.7
NetIC4_3: IC4.3 X2.10 | length 363.3
  Top Layer w20: IC4.3 475,1480 X2.10
NetIC4_4: IC4.4 X2.9 | length 485.8
  Top Layer w20: IC4.4 575,1485 775,1285 775,1210 715,1150 715,1140 X2.9
NetIC5_4: IC5.4 R1.2 R2.2 | length 148.1
  Top Layer w10: R1.2 R2.2 609.49,434.49 634.72,459.72 IC5.4
NetJ3_1: J3.1 T4.D | length 101.4
  Bottom Layer w50: J3.1@2571.16,712.46 J3.1 2603.14,658.16 T4.D
NetJ3_2: J3.2 T3.D | length 83.6
  Bottom Layer w50: J3.2 2564.26,898.15 2602.68,859.73 T3.D
NetJ5_1: J5.1 T2.D | length 87.7
  Bottom Layer w50: J5.1 2608.15,255 T2.D
NetJ5_2: J5.2 T1.D | length 85.7
  Bottom Layer w50: J5.2 2603.42,456.58 T1.D
NetLED1_2: LED1.2 R24.2 | length 65.4
  Top Layer w10: LED1.2 1279.02,53.5 R24.2
NetLED2_2: LED2.2 R31.1 | length 90.3
  Top Layer w10: R31.1@1067,61.49 R31.1@1079,61.49 ; R31.1 1083.49,54.49 1154.02,54.49 LED2.2
NetR7_1: R7.1 X2.14 | length 169.4
  Top Layer w20: R7.1 900,1235.32 X2.14
NetR28_2: R28.2 X1.DN | length 822.2
  Top Layer w10: v1(1203,220) 1366,220 1385,239 R28.2
  Bottom Layer w8: v1(675,315) 699.69,290.31 1173.69,290.31 1203,261 v1(1203,220)
NetR30_2: R30.2 X1.DP | length 631.7
  Top Layer w8: v1(1154,261) 1154,262 1171.49,279.49 R30.2
  Bottom Layer w8: v1(655,210) 720.91,275.91 1139.09,275.91 v1(1154,261)
NetR37_1: R37.1 X2.12 | length 528.7
  Top Layer w10: R37.1 831,1403.49 v1(831,1076)
  Bottom Layer w10: v1(831,1076) 900.16,1006.84 X2.12
Vcc: D1.K D3.K J1.2 J2.1 J3.3 pad.0@106.3,1704.72 pad.0@2649.61,1704.72 T5.D | length 1832.5
  Top Layer w60: J2.1 203.58,543.42 305,442 v3@305,272 ; v3(305,271) 305,205.72 T5.D
  Bottom Layer w20: D1.K 608.01,88 683.5,12.5 993.5,12.5 1071.55,90.55 J1.2
  Bottom Layer w60: v3(305,271) 305,206.61 372.26,134 545,134 573.05,105.95 573.05,91.46 574.25,90.26 D1.K@590,90.26
VCC_F1: C24.1 C25.1 F1.1 IC5.2
pads on no net: Designator65.1 Designator65.2 Designator65.3 Designator72.1 Designator72.2 Designator72.3 Designator73.1 Designator73.2 Designator73.3 IC1.1 IC1.3 IC1.4 IC2.7 IC2.12 IC2.13 IC2.18 IC2.24 IC2.26 IC2.46 IC2.47 IC4.7 IC5.3 J1.18 S1.3 S1.4 S2.3 S2.4 X1.1 X1.CC X1.SBU X2.0 X3.6 X3.A X3.B X3.C

## Polygon pours and split planes (outlines as drawn)
GND on Top Layer "Top Layer-No Net" (solid, pour order 6): 1953.99,953.75 1973.74,934 2016.26,934 2036.01,953.75 2188.75,801.01 2168,780.06 2168,739.73 2188.75,718.99 2036.01,566.25 2014.04,588 1978.74,588 1955.49,564.75 1801.25,718.99 1822,739.73 1822,780.26 1801.25,801.01
GND on Top Layer "Top Layer-No Net" (solid, pour order 4): 1258.99,1163.75 1279.74,1143 1320.26,1143 1341.01,1163.75 1493.75,1011.01 1493.01,1011.01 1473,991 1473,949.74 1493.75,928.99 1341.01,776.25 1341.01,776.99 1321,797 1279.74,797 1258.99,776.25 1106.25,928.99 1127,949.91 1127,990.26 1106.25,1011.01
no net on Top Layer "Top Layer-No Net" (solid, pour order 11): 0,1811.02
no net on Bottom Overlay "Top Layer-No Net" (solid): 2753,1803
GND on Bottom Layer "Top Layer-No Net" (solid, pour order 15): 0,1807.51 0,1811.02 2755.91,1811.02 2755.91,0 0,0
no net on Bottom Layer "Top Layer-No Net" (solid, pour order 17): 0,0
GND on Bottom Layer "Top Layer-No Net" (solid, pour order 8): -1155,942

## Other copper
Top Layer:
  region net Vcc: 28,452 31,449 274,449 335,449 335,662 195,802 195,1552 237,1594 238,1593 2035,1593 2093,1651 2489,1651 2626,1514 2626,1262 2489,1125 2489,1067 2513,1043 2727,1043 2755.91,1071.91 2755.91,1811.02 0,1811.02 0,1804 0,468 21,447
  region net 3,3V: 900,425 875,400 875,225 900,200 1020,200 1045,225 1100,225 1125,250 1125,400 1100,425
  region net NetC1_1: 820,500 825,495 825,455 820,450 785,450 773,438 732,438 725,445 725,485 740,500
  region net GND: 425,610 425,515 435,505 505,505 535,535 625,535 640,550 640,575 650,585 670,585 690,605 690,680 680,690 585,690 525,630 445,630
  region net VCC_F1: 692.5,575 718,575 718,498 707,487 604.5,487 580,462.5 580,417.5 580,360 570,350 515,350 468,303 400,303 385,318 385,445 435,495 510,495 538,523 688,523 692.5,527.5
  region net NetC1_2: 730,670 730,522.41 745.08,507.33 892.33,507.33 965,580 1055,580 1055,670
  region net GND: 691,480 719,480 719,438 727,430 765,430 770,425 770,380 760,370 710,370 690,390 650,390 650,430 691,430
  region net GND: 1615,1135 1710,1135 1710,1095 1690,1095 1655,1060 1655,1030 1615,1030
  region: 2217.52,1125
  region: 2217.52,1125
  region: 2217.52,1125

## Silkscreen, mask and mechanical layers (free items; w line width, h text height)
Top Overlay:
  text "-" at 84,182 h20 r90
Bottom Overlay:
  drawing of 217 lines, arcs and shapes, not listed
  text "STM32_W5500_Dev V1.2" at 1865,1723 h40
  text "designed by Valentin Fischer" at 1864,1656 h40
  text "März 2020" at 1866,1589 h40
Mechanical 1:
  the board outline again, w20

## Text inside footprints (layer, text, board x,y; h text height)
Designator65: Mechanical 1 "FL-9494 SCHAAN" at 153933.42,133348.36 h95.42; Mechanical 1 "Allgemeintoleranzen" at 151813.27,134911.8 h70.87; Mechanical 1 "ISO 2768-" at 151813.27,134840.23 h70.87; Mechanical 1 "Werkstoff" at 153619.03,134880.26 h78.74; Mechanical 1 "Massstab:" at 154445.8,134880.26 h78.74; Mechanical 1 "Datum" at 155931.55,134880.26 h78.74; Mechanical 1 "Name" at 156588.65,134880.26 h78.74; Mechanical 1 "Gezeichnet" at 155041.62,134683.41 h78.74; Mechanical 1 "27.11.02" at 155868.74,134683.41 h78.74; Mechanical 1 "Dobler" at 156547.41,134683.41 h78.74; Mechanical 1 "Zeichnung urheberrechtlich" at 151813.27,134518.1 h70.87; Mechanical 1 "geschuetzt (DIN 34) (C" at 151813.27,134446.53 h70.87; Mechanical 1 "-" at 153849.62,134486.56 h78.74; Mechanical 1 "3:1" at 154571.64,134480.01 h137.8; Mechanical 1 "Freigegeben" at 155041.62,134486.56 h78.74; Mechanical 1 "-" at 156054.35,134486.56 h78.74; Mechanical 1 "-" at 156684.27,134486.56 h78.74; Mechanical 1 "-" at 153849.62,134289.71 h78.74; Mechanical 1 "(A3)" at 154684.83,134368.45 h78.74; Mechanical 1 "Geaendert" at 155041.62,134289.71 h78.74; Mechanical 1 "17.11.08" at 155877.18,134289.71 h78.74; Mechanical 1 "Mijatovic" at 156485.54,134289.71 h78.74; Mechanical 1 "Benennung" at 151813.27,134117.01 h78.74; Mechanical 1 "Aend.-Nr." at 155041.62,134194.06 h78.74; Mechanical 1 "NC3FAAV1" at 153000.12,133944.18 h137.8; Mechanical 1 "NC3FAAV1" at 152788.5,133638.02 h196.85; Mechanical 1 "Ersatz fuer:" at 155041.62,133699.16 h78.74; Mechanical 1 "Blatt 1" at 156712.39,133859.42 h78.74; Mechanical 1 "von 1 Bl" at 156712.39,133779.89 h78.74; Mechanical 1 "Zeichn. Nr." at 155041.62,133462.94 h78.74; Mechanical 1 "ST-NC3FAAV1" at 155495.2,133255.2 h137.8; Mechanical 1 "PCB-Layout (component side" at 148608.32,138425.11 h196.85; Mechanical 1 "Panel cut out (rear sied" at 143114.32,138477.73 h196.85; Mechanical 1 "min assembling distanc" at 153894.17,138408.67 h196.85; Mechanical 1 "1+G" at 150819.01,135917.85 h196.85; Mechanical 1 "3" at 150428.55,135334.35 h196.85; Mechanical 1 "2" at 149449.04,135928.75 h196.85; Mechanical 1 "1:1" at 155186.52,135593.85 h137.8
J1: Bottom Overlay "2" at 1450.39,74.8 h39.37 r180; Bottom Overlay "1" at 1466.14,354.33 h39.37 r180; Bottom Overlay "19" at 2852,346 h39.37 r180; Bottom Overlay "20" at 2459.06,74.8 h39.37 r180